# EAGLE board Mk4 Final Panel 6up 3x2 (EAGLE 9.0.1), part 5 of 18
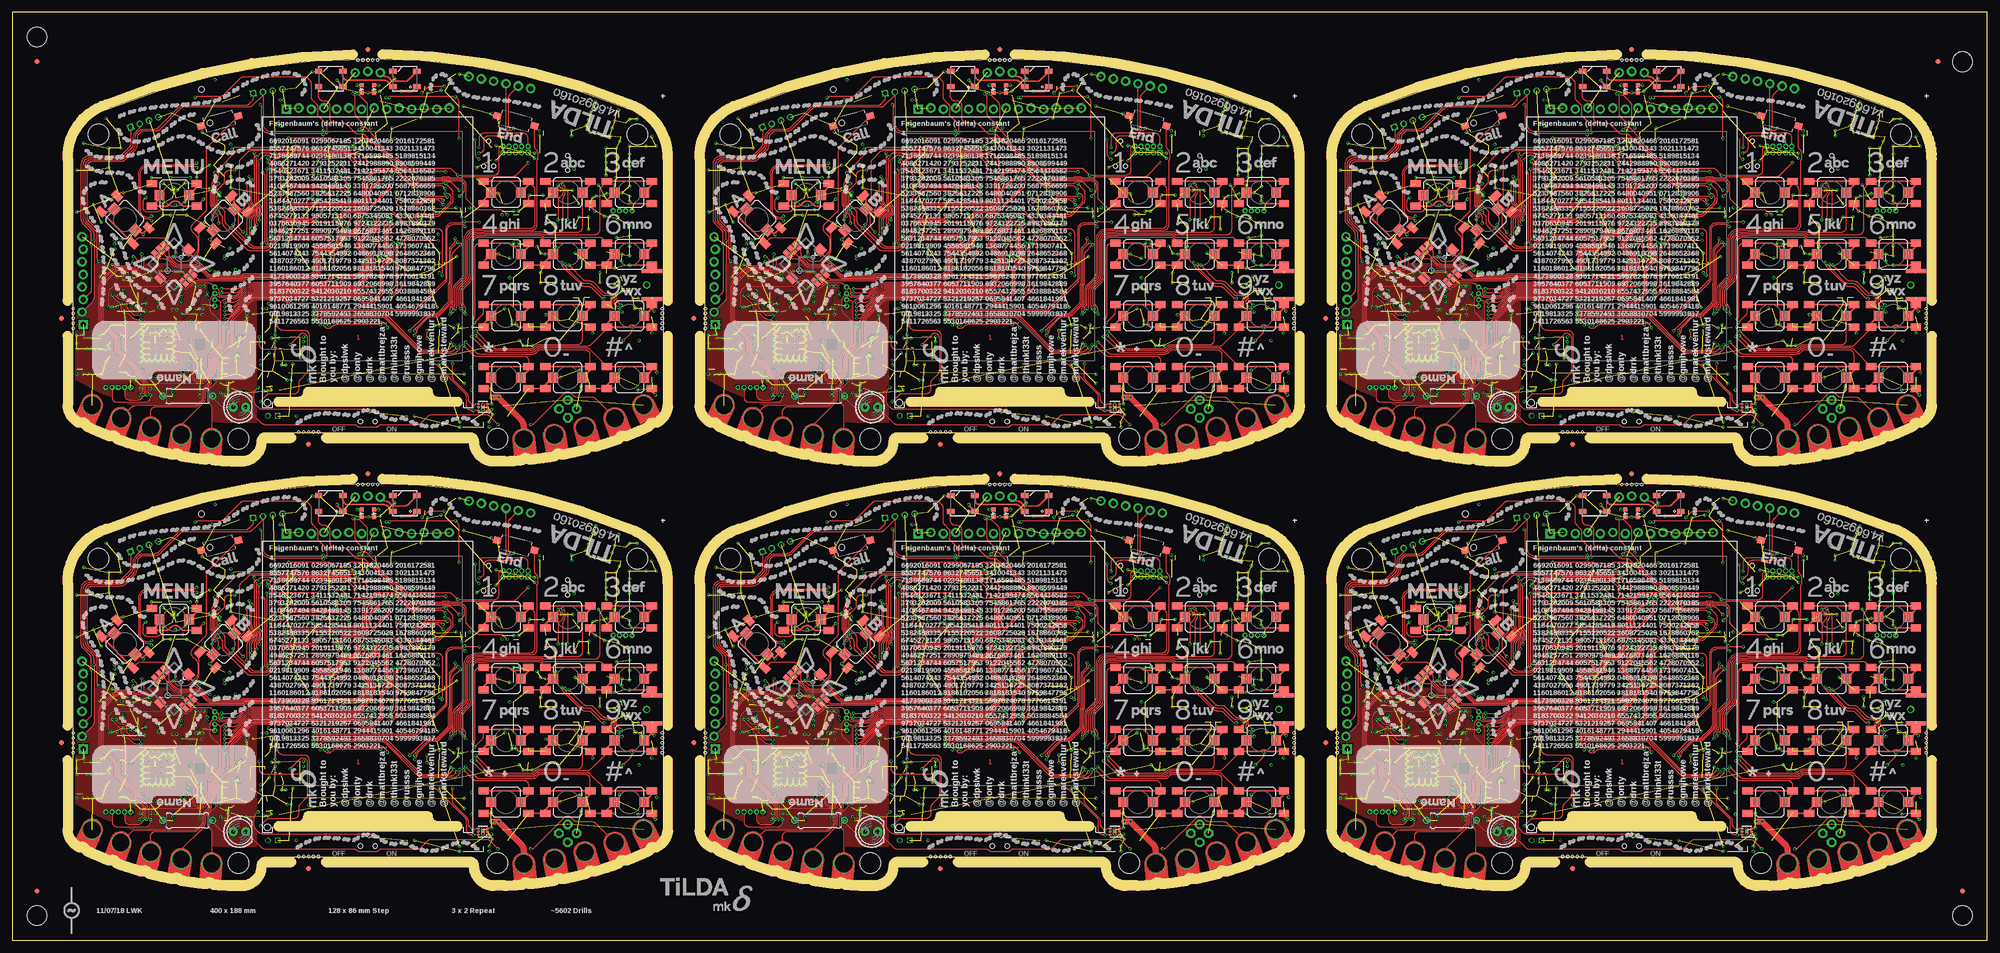
[diagram p0: board, top side]
## Tracks (layer width: path | path; a pad name or v marks a point on that pad's centre or on a via) (continued)
3V2  (via drill 0.3)  (79 unrouted) (continued)
  Bottom 0.15: v86.5,116.75 C318.1 86,117.5 arc-90 85.5,118 85.5,118.16 arc-90 IC50.5
  Bottom 0.2: IC38.9 75,141.75 C231.2 | IC38.8 75.4,144.19 arc-45 75.55,144.55 v75.75,144.75 75.8,144.7 IC38.7 | IC38.16 72.2,142.01 arc45 72.35,141.65 C230.2 v72.5,140.75 | IC38.47 63.46,150.4 arc45 C228.2 | IC38.113 80.14,150.8 arc45 80.84,151.09 C227.2 | IC38.79 71.4,159.44 arc45 71.11,160.14 C229.2 | IC38.69 67.4,157.86 arc-45 v67.25,157.5 67.15,157.6 arc-45 67,157.96 IC38.68 | 32.75,125.28 IC47.47 | IC38.90 75.8,157.55 v75.75,157.5 | IC38.51 v63,152 63.11,152.11 arc-45 63.81,152.4 IC38.52 | IC38.39 v65.5,147.2 | IC38.28 67.4,142.35 arc90 v67.75,142 arc90 68.2,142.45 IC38.26 | R171.1 v79.5,143.5 | IC38.122 78.62,147.2 arc-45 v78.5,147.25 | v97.05,107.5 C320.1 | IC38.101 80.95,155.6 v81.1,155.45 | R184.2 v84.75,145 | R183.2 85.07,147.32 arc-45 v85.5,147.5 | R222.1 20.5,137.5 arc-45 v20.25,136.9
  Bottom 0.25: J21.41 64.25,136 | J21.40 64.75,135.29 arc45 64.6,135.65 64.25,136 | J21.42 63.75,135.29 arc-45 63.9,135.65 64.25,136 | J21.35 v67.25,133.5 | J21.1 v84.25,133.5 | J21.8 v80.75,136 | J21.7 81.25,135.5 v80.75,136 | J21.9 80.25,135.5 v80.75,136 | C231.2 75.25,140.12 C232.2 75.5,139.62 v75.5,138.75 | v62,150.1 C228.2 | v82.25,151.75 C227.2 | v71,161 C229.2 | R166.2 v71,164 | R167.2 v62,158.25 | C305.1 32.16,126.5 arc45 31.46,126.21 arc45 31.25,125.71 IC47.44 | IC47.39 28.75,127.55 C306.1 | IC47.37 27.75,127.35 C304.1 | C307.1 v28,114.25 28.46,114.71 arc45 28.75,115.41 IC47.10 | C308.1 v36,121.5 35.9,121.6 arc45 35.54,121.75 IC47.54 | IC49.21 C239.2 | v86,128.3 R230.2 | JP21.8 74.35,169.71 arc45 74.5,170.06 C221.2 | IC46.6 33.12,149.03 v33.05,148.95 C293.1
  Bottom 0.3: 33.22,125.75 32.75,125.28 | R229.2 v21.25,128.25 | JP19.1 97.63,160.63 v98,161 | IC45.14 106.81,157.44 R212.2 C280.2 v105.75,158.5 | IC40.8 81.35,144.15 C220.2 v81.25,145 | R172.1 v90,138.5 | C246.2 54.43,140.25 IC37.27 54.33,140.25 v53.25,140.25 | v44.25,152.5 arc-45 43.77,152.3 IC37.43 41.8,152.3 C242.2 | v44.25,157 44.15,157.1 IC37.49 41.85,157.1 C245.2 | v53.25,159.5 IC37.3 C240.2 | v53.25,161.25 53.4,161.1 IC37.1 55.65,161.1 C244.2 | v53.25,154.75 53.3,154.7 IC37.9 55.7,154.7 C241.2 | v53.25,150.75 53.3,150.7 IC37.14 55.7,150.7 C243.2 | C261.2 v38,132.5 | C261.2 38.75,133 v38.75,132.5 | C261.2 37.25,133 v37.25,132.5 | v91,147.5 R206.2 | C319.1 R216.1 | R182.2 R181.2 v57.3,146.75 | C304.1 v26.85,127.5 | C222.2 80.89,166.61 JP21.11 | v92.6,148.45 C279.2 92.03,148.72 IC44.8 | J26.7 J26.3 | J28.7 J28.3 | IC53.5 C323.1 v90.6,105
  Bottom 0.4: 33.22,125.75 34.19,125.75 arc45 34.89,126.04 C309.1 35.6,127.39 arc-45 35.75,127.75 v36,128 | v33.25,127.75 33.25,127.66 arc-45 32.96,126.96 32.7,126.7 C305.1 32.5,126.7 v32.5,127.75 | C306.1 29.1,127.7 v29.65,128.25 | v38.25,117.75 R224.2 | v38.25,115.75 R225.2 | v28,134.15 28.5,134.15 arc90 29.5,135.15 C294.2 29.5,135.53 arc45 29.21,136.24 IC48.8 | R223.2 v24.25,135.25 | v86.5,124.5 C239.2 | v40.95,113.6 R216.1 | C262.2 v32.5,111 | C262.2 33,111.75 v32.5,111.75 | C262.2 33,110.25 v32.5,110.25 | IC54.1 99.05,108 C324.1 97.96,108 arc45 97.26,107.71 v97.05,107.5 | TP54.TP 45.55,119.95 v45.55,118.65
  Bottom 0.5: C223.2 89.14,168 JP21.14
  other vias: 64.5,139.25 45.15,118.15 45.95,118.15 46.3,122.35 46,121.35 45.7,121.95
  pour 3V3@2 (isolate 0.254, rank 6): 12.2,160.5 12.2,107 arc31 44,98 46.7,98 arc90 49.5,100.8 arc-90 51.5,102.8 92.5,102.8 arc-90 94.5,100.8 arc90 97.3,98 100,98 arc31 131.8,107 131.8,130.5 125.5,130.5 125.5,160.5 131.8,160.5 arc64 125.25,168.25 arc24 72,178.5 arc24 18.75,168.25 arc55
  pour Bottom (no thermals): 64.25,138 64.25,139.3 64.45,139.5 64.8,139.5 65,139.3 65,137.75 64.5,137.25 64.5,135.75 64,135.75 64,137.75
  pour Bottom (no thermals): 48.3,113.65 46.75,113.65 46.35,114.05 arc45 45.99,114.2 44.85,114.2 44.85,121.39 arc-45 45,121.75 45.85,122.6 arc-45 46.21,122.75 46.25,122.75 arc-90 46.75,122.25 46.75,122.11 arc-45 46.6,121.75 46.45,121.6 arc45 46.3,121.24 46.3,115.4 arc90 46.8,114.9 47.8,114.9 arc-90 48.3,114.4
  pour Top: 36.35,132.85 34.65,131.15 arc-45 34.29,131 28.41,131 arc45 27.71,130.71 26.79,129.79 arc45 26.5,129.09 26.5,126 arc90 27.5,125 33.09,125 arc45 33.79,125.29 37.71,129.21 arc45 38,129.91 38,130.29 arc-45 38.15,130.65 39.35,131.85 arc45 39.5,132.21 39.5,132.5 arc90 39,133 36.71,133 arc45
3V3  (via drill 0.3)  (79 unrouted)
  Top 0.2: IC17.1 96.69,21.35 arc45 v97.05,21.5
  Top 0.3: SW1.COM 35.58,48.17 v34.5,49.25
  Bottom 0.15: v86.5,30.75 C102.1 86,31.5 arc-90 85.5,32 85.5,32.16 arc-90 IC16.5
  Bottom 0.2: IC1.9 75,55.75 C13.2 | IC1.8 75.4,58.19 arc-45 75.55,58.55 v75.75,58.75 75.8,58.7 IC1.7 | IC1.16 72.2,56.01 arc45 72.35,55.65 C12.2 v72.5,54.75 | IC1.47 63.46,64.4 arc45 C10.2 | IC1.113 80.14,64.8 arc45 80.84,65.09 C9.2 | IC1.79 71.4,73.44 arc45 71.11,74.14 C11.2 | IC1.69 67.4,71.86 arc-45 v67.25,71.5 67.15,71.6 arc-45 67,71.96 IC1.68 | 32.75,39.28 IC15.47 | IC1.90 75.8,71.55 v75.75,71.5 | IC1.51 v63,66 63.11,66.11 arc-45 63.81,66.4 IC1.52 | IC1.39 v65.5,61.2 | IC1.28 67.4,56.35 arc90 v67.75,56 arc90 68.2,56.45 IC1.26 | R9.1 v79.5,57.5 | IC1.122 78.62,61.2 arc-45 v78.5,61.25 | v97.05,21.5 C104.1 | IC1.101 80.95,69.6 v81.1,69.45 | R24.2 v84.75,59 | R23.2 85.07,61.32 arc-45 v85.5,61.5 | R66.1 20.5,51.5 arc-45 v20.25,50.9
  Bottom 0.25: J2.41 64.25,50 | J2.40 64.75,49.29 arc45 64.6,49.65 64.25,50 | J2.42 63.75,49.29 arc-45 63.9,49.65 64.25,50 | J2.35 v67.25,47.5 | J2.1 v84.25,47.5 | J2.8 v80.75,50 | J2.7 81.25,49.5 v80.75,50 | J2.9 80.25,49.5 v80.75,50 | C13.2 75.25,54.12 C14.2 75.5,53.62 v75.5,52.75 | v62,64.1 C10.2 | v82.25,65.75 C9.2 | v71,75 C11.2 | R4.2 v71,78 | R5.2 v62,72.25 | C89.1 32.16,40.5 arc45 31.46,40.21 arc45 31.25,39.71 IC15.44 | IC15.39 28.75,41.55 C90.1 | IC15.37 27.75,41.35 C88.1 | C91.1 v28,28.25 28.46,28.71 arc45 28.75,29.41 IC15.10 | C92.1 v36,35.5 35.9,35.6 arc45 35.54,35.75 IC15.54 | IC4.21 C21.2 | v86,42.3 R76.2 | JP7.8 74.35,83.71 arc45 74.5,84.06 C3.2 | IC13.6 33.12,63.02 v33.05,62.95 C58.1
  Bottom 0.3: 33.22,39.75 32.75,39.28 | R73.2 v21.25,42.25 | JP4.1 97.63,74.63 v98,75 | IC12.14 106.81,71.44 R56.2 C71.2 v105.75,72.5 | IC6.8 81.35,58.15 C2.2 v81.25,59 | R10.1 v90,52.5 | C28.2 54.43,54.25 IC2.27 54.33,54.25 v53.25,54.25 | v44.25,66.5 arc-45 43.77,66.3 IC2.43 41.8,66.3 C24.2 | v44.25,71 44.15,71.1 IC2.49 41.85,71.1 C27.2 | v53.25,73.5 IC2.3 C22.2 | v53.25,75.25 53.4,75.1 IC2.1 55.65,75.1 C26.2 | v53.25,68.75 53.3,68.7 IC2.9 55.7,68.7 C23.2 | v53.25,64.75 53.3,64.7 IC2.14 55.7,64.7 C25.2 | C42.2 v38,46.5 | C42.2 38.75,47 v38.75,46.5 | C42.2 37.25,47 v37.25,46.5 | v91,61.5 R50.2 | C103.1 R60.1 | R22.2 R21.2 v57.3,60.75 | C88.1 v26.85,41.5 | C4.2 80.89,80.61 JP7.11 | v92.6,62.45 C70.2 92.03,62.73 IC11.8 | J10.7 J10.3 | J8.7 J8.3 | IC3.5 C107.1 v90.6,19
  Bottom 0.4: 33.22,39.75 34.19,39.75 arc45 34.89,40.04 C93.1 35.6,41.39 arc-45 35.75,41.75 v36,42 | v33.25,41.75 33.25,41.66 arc-45 32.96,40.96 32.7,40.7 C89.1 32.5,40.7 v32.5,41.75 | C90.1 29.1,41.7 v29.65,42.25 | v38.25,31.75 R68.2 | v38.25,29.75 R69.2 | v28,48.15 28.5,48.15 arc90 29.5,49.15 C59.2 29.5,49.53 arc45 29.21,50.24 IC14.8 | R67.2 v24.25,49.25 | v86.5,38.5 C21.2 | v40.95,27.6 R60.1 | C43.2 v32.5,25 | C43.2 33,25.75 v32.5,25.75 | C43.2 33,24.25 v32.5,24.25 | IC18.1 99.05,22 C108.1 97.96,22 arc45 97.26,21.71 v97.05,21.5 | TP16.TP 45.55,33.95 v45.55,32.65
  Bottom 0.5: C5.2 89.14,82 JP7.14
  other vias: 64.5,53.25 45.15,32.15 45.95,32.15 46.3,36.35 46,35.35 45.7,35.95
  pour 3V3@2 (isolate 0.254, rank 6): 12.2,74.5 12.2,21 arc31 44,12 46.7,12 arc90 49.5,14.8 arc-90 51.5,16.8 92.5,16.8 arc-90 94.5,14.8 arc90 97.3,12 100,12 arc31 131.8,21 131.8,44.5 125.5,44.5 125.5,74.5 131.8,74.5 arc64 125.25,82.25 arc24 72,92.5 arc24 18.75,82.25 arc55
  pour Bottom (no thermals): 64.25,52 64.25,53.3 64.45,53.5 64.8,53.5 65,53.3 65,51.75 64.5,51.25 64.5,49.75 64,49.75 64,51.75
  pour Bottom (no thermals): 48.3,27.65 46.75,27.65 46.35,28.05 arc45 45.99,28.2 44.85,28.2 44.85,35.39 arc-45 45,35.75 45.85,36.6 arc-45 46.21,36.75 46.25,36.75 arc-90 46.75,36.25 46.75,36.11 arc-45 46.6,35.75 46.45,35.6 arc45 46.3,35.24 46.3,29.4 arc90 46.8,28.9 47.8,28.9 arc-90 48.3,28.4
  pour Top: 36.35,46.85 34.65,45.15 arc-45 34.29,45 28.41,45 arc45 27.71,44.71 26.79,43.79 arc45 26.5,43.09 26.5,40 arc90 27.5,39 33.09,39 arc45 33.79,39.29 37.71,43.21 arc45 38,43.91 38,44.29 arc-45 38.15,44.65 39.35,45.85 arc45 39.5,46.21 39.5,46.5 arc90 39,47 36.71,47 arc45
3V4  (via drill 0.3)  (79 unrouted)
  Top 0.2: IC70.1 224.69,107.35 arc45 v225.05,107.5
  Top 0.3: SW4.COM 163.58,134.17 v162.5,135.25
  Bottom 0.15: v214.5,116.75 C426.1 214,117.5 arc-90 213.5,118 213.5,118.16 arc-90 IC68.5
  Bottom 0.2: IC56.9 203,141.75 C339.2 | IC56.8 203.4,144.19 arc-45 203.55,144.55 v203.75,144.75 203.8,144.7 IC56.7 | IC56.16 200.2,142.01 arc45 200.35,141.65 C338.2 v200.5,140.75 | IC56.47 191.46,150.4 arc45 C336.2 | IC56.113 208.14,150.8 arc45 208.84,151.09 C335.2 | IC56.79 199.4,159.44 arc45 199.11,160.14 C337.2 | IC56.69 195.4,157.86 arc-45 v195.25,157.5 195.15,157.6 arc-45 195,157.96 IC56.68 | 160.75,125.28 IC65.47 | IC56.90 203.8,157.55 v203.75,157.5 | IC56.51 v191,152 191.11,152.11 arc-45 191.81,152.4 IC56.52 | IC56.39 v193.5,147.2 | IC56.28 195.4,142.35 arc90 v195.75,142 arc90 196.2,142.45 IC56.26 | R249.1 v207.5,143.5 | IC56.122 206.62,147.2 arc-45 v206.5,147.25 | v225.05,107.5 C428.1 | IC56.101 208.95,155.6 v209.1,155.45 | R262.2 v212.75,145 | R261.2 213.07,147.32 arc-45 v213.5,147.5 | R300.1 148.5,137.5 arc-45 v148.25,136.9
  Bottom 0.25: J31.41 192.25,136 | J31.40 192.75,135.29 arc45 192.6,135.65 192.25,136 | J31.42 191.75,135.29 arc-45 191.9,135.65 192.25,136 | J31.35 v195.25,133.5 | J31.1 v212.25,133.5 | J31.8 v208.75,136 | J31.7 209.25,135.5 v208.75,136 | J31.9 208.25,135.5 v208.75,136 | C339.2 203.25,140.12 C340.2 203.5,139.62 v203.5,138.75 | v190,150.1 C336.2 | v210.25,151.75 C335.2 | v199,161 C337.2 | R244.2 v199,164 | R245.2 v190,158.25 | C413.1 160.16,126.5 arc45 159.46,126.21 arc45 159.25,125.71 IC65.44 | IC65.39 156.75,127.55 C414.1 | IC65.37 155.75,127.35 C412.1 | C415.1 v156,114.25 156.46,114.71 arc45 156.75,115.41 IC65.10 | C416.1 v164,121.5 163.9,121.6 arc45 163.54,121.75 IC65.54 | IC67.21 C347.2 | v214,128.3 R308.2 | JP30.8 202.35,169.71 arc45 202.5,170.06 C329.2 | IC64.6 161.12,149.03 v161.05,148.95 C401.1
  Bottom 0.3: 161.22,125.75 160.75,125.28 | R307.2 v149.25,128.25 | JP28.1 225.63,160.63 v226,161 | IC63.14 234.81,157.44 R290.2 C388.2 v233.75,158.5 | IC58.8 209.35,144.15 C328.2 v209.25,145 | R250.1 v218,138.5 | C354.2 182.43,140.25 IC55.27 182.33,140.25 v181.25,140.25 | v172.25,152.5 arc-45 171.77,152.3 IC55.43 169.8,152.3 C350.2 | v172.25,157 172.15,157.1 IC55.49 169.85,157.1 C353.2 | v181.25,159.5 IC55.3 C348.2 | v181.25,161.25 181.4,161.1 IC55.1 183.65,161.1 C352.2 | v181.25,154.75 181.3,154.7 IC55.9 183.7,154.7 C349.2 | v181.25,150.75 181.3,150.7 IC55.14 183.7,150.7 C351.2 | C369.2 v166,132.5 | C369.2 166.75,133 v166.75,132.5 | C369.2 165.25,133 v165.25,132.5 | v219,147.5 R284.2 | C427.1 R294.1 | R260.2 R259.2 v185.3,146.75 | C412.1 v154.85,127.5 | C330.2 208.89,166.61 JP30.11 | v220.6,148.45 C387.2 220.03,148.72 IC62.8 | J36.7 J36.3 | J38.7 J38.3 | IC71.5 C431.1 v218.6,105
  Bottom 0.4: 161.22,125.75 162.19,125.75 arc45 162.89,126.04 C417.1 163.6,127.39 arc-45 163.75,127.75 v164,128 | v161.25,127.75 161.25,127.66 arc-45 160.96,126.96 160.7,126.7 C413.1 160.5,126.7 v160.5,127.75 | C414.1 157.1,127.7 v157.65,128.25 | v166.25,117.75 R302.2 | v166.25,115.75 R303.2 | v156,134.15 156.5,134.15 arc90 157.5,135.15 C402.2 157.5,135.53 arc45 157.21,136.24 IC66.8 | R301.2 v152.25,135.25 | v214.5,124.5 C347.2 | v168.95,113.6 R294.1 | C370.2 v160.5,111 | C370.2 161,111.75 v160.5,111.75 | C370.2 161,110.25 v160.5,110.25 | IC72.1 227.05,108 C432.1 225.96,108 arc45 225.26,107.71 v225.05,107.5 | TP73.TP 173.55,119.95 v173.55,118.65
  Bottom 0.5: C331.2 217.14,168 JP30.14
  other vias: 192.5,139.25 173.15,118.15 173.95,118.15 174.3,122.35 174,121.35 173.7,121.95
  pour 3V3@2 (isolate 0.254, rank 6): 140.2,160.5 140.2,107 arc31 172,98 174.7,98 arc90 177.5,100.8 arc-90 179.5,102.8 220.5,102.8 arc-90 222.5,100.8 arc90 225.3,98 228,98 arc31 259.8,107 259.8,130.5 253.5,130.5 253.5,160.5 259.8,160.5 arc64 253.25,168.25 arc24 200,178.5 arc24 146.75,168.25 arc55
  pour Bottom (no thermals): 192.25,138 192.25,139.3 192.45,139.5 192.8,139.5 193,139.3 193,137.75 192.5,137.25 192.5,135.75 192,135.75 192,137.75
  pour Bottom (no thermals): 176.3,113.65 174.75,113.65 174.35,114.05 arc45 173.99,114.2 172.85,114.2 172.85,121.39 arc-45 173,121.75 173.85,122.6 arc-45 174.21,122.75 174.25,122.75 arc-90 174.75,122.25 174.75,122.11 arc-45 174.6,121.75 174.45,121.6 arc45 174.3,121.24 174.3,115.4 arc90 174.8,114.9 175.8,114.9 arc-90 176.3,114.4
  pour Top: 164.35,132.85 162.65,131.15 arc-45 162.29,131 156.41,131 arc45 155.71,130.71 154.79,129.79 arc45 154.5,129.09 154.5,126 arc90 155.5,125 161.09,125 arc45 161.79,125.29 165.71,129.21 arc45 166,129.91 166,130.29 arc-45 166.15,130.65 167.35,131.85 arc45 167.5,132.21 167.5,132.5 arc90 167,133 164.71,133 arc45
3V5  (via drill 0.3)  (79 unrouted)
  Top 0.2: IC88.1 352.69,21.35 arc45 v353.05,21.5
  Top 0.3: SW5.COM 291.58,48.17 v290.5,49.25
  Bottom 0.15: v342.5,30.75 C534.1 342,31.5 arc-90 341.5,32 341.5,32.16 arc-90 IC86.5
  Bottom 0.2: IC74.9 331,55.75 C447.2 | IC74.8 331.4,58.19 arc-45 331.55,58.55 v331.75,58.75 331.8,58.7 IC74.7 | IC74.16 328.2,56.01 arc45 328.35,55.65 C446.2 v328.5,54.75 | IC74.47 319.46,64.4 arc45 C444.2 | IC74.113 336.14,64.8 arc45 336.84,65.09 C443.2 | IC74.79 327.4,73.44 arc45 327.11,74.14 C445.2 | IC74.69 323.4,71.86 arc-45 v323.25,71.5 323.15,71.6 arc-45 323,71.96 IC74.68 | 288.75,39.28 IC83.47 | IC74.90 331.8,71.55 v331.75,71.5 | IC74.51 v319,66 319.11,66.11 arc-45 319.81,66.4 IC74.52 | IC74.39 v321.5,61.2 | IC74.28 323.4,56.35 arc90 v323.75,56 arc90 324.2,56.45 IC74.26 | R327.1 v335.5,57.5 | IC74.122 334.62,61.2 arc-45 v334.5,61.25 | v353.05,21.5 C536.1 | IC74.101 336.95,69.6 v337.1,69.45 | R340.2 v340.75,59 | R339.2 341.07,61.32 arc-45 v341.5,61.5 | R378.1 276.5,51.5 arc-45 v276.25,50.9
  Bottom 0.25: J41.41 320.25,50 | J41.40 320.75,49.29 arc45 320.6,49.65 320.25,50 | J41.42 319.75,49.29 arc-45 319.9,49.65 320.25,50 | J41.35 v323.25,47.5 | J41.1 v340.25,47.5 | J41.8 v336.75,50 | J41.7 337.25,49.5 v336.75,50 | J41.9 336.25,49.5 v336.75,50 | C447.2 331.25,54.12 C448.2 331.5,53.62 v331.5,52.75 | v318,64.1 C444.2 | v338.25,65.75 C443.2 | v327,75 C445.2 | R322.2 v327,78 | R323.2 v318,72.25 | C521.1 288.16,40.5 arc45 287.46,40.21 arc45 287.25,39.71 IC83.44 | IC83.39 284.75,41.55 C522.1 | IC83.37 283.75,41.35 C520.1 | C523.1 v284,28.25 284.46,28.71 arc45 284.75,29.41 IC83.10 | C524.1 v292,35.5 291.9,35.6 arc45 291.54,35.75 IC83.54 | IC85.21 C455.2 | v342,42.3 R386.2 | JP39.8 330.35,83.71 arc45 330.5,84.06 C437.2 | IC82.6 289.12,63.02 v289.05,62.95 C509.1
  Bottom 0.3: 289.22,39.75 288.75,39.28 | R385.2 v277.25,42.25 | JP37.1 353.63,74.63 v354,75 | IC81.14 362.81,71.44 R368.2 C496.2 v361.75,72.5 | IC76.8 337.35,58.15 C436.2 v337.25,59 | R328.1 v346,52.5 | C462.2 310.43,54.25 IC73.27 310.33,54.25 v309.25,54.25 | v300.25,66.5 arc-45 299.77,66.3 IC73.43 297.8,66.3 C458.2 | v300.25,71 300.15,71.1 IC73.49 297.85,71.1 C461.2 | v309.25,73.5 IC73.3 C456.2 | v309.25,75.25 309.4,75.1 IC73.1 311.65,75.1 C460.2 | v309.25,68.75 309.3,68.7 IC73.9 311.7,68.7 C457.2 | v309.25,64.75 309.3,64.7 IC73.14 311.7,64.7 C459.2 | C477.2 v294,46.5 | C477.2 294.75,47 v294.75,46.5 | C477.2 293.25,47 v293.25,46.5 | v347,61.5 R362.2 | C535.1 R372.1 | R338.2 R337.2 v313.3,60.75 | C520.1 v282.85,41.5 | C438.2 336.89,80.61 JP39.11 | v348.6,62.45 C495.2 348.02,62.73 IC80.8 | J46.7 J46.3 | J48.7 J48.3 | IC89.5 C539.1 v346.6,19
  Bottom 0.4: 289.22,39.75 290.19,39.75 arc45 290.89,40.04 C525.1 291.6,41.39 arc-45 291.75,41.75 v292,42 | v289.25,41.75 289.25,41.66 arc-45 288.96,40.96 288.7,40.7 C521.1 288.5,40.7 v288.5,41.75 | C522.1 285.1,41.7 v285.65,42.25 | v294.25,31.75 R380.2 | v294.25,29.75 R381.2 | v284,48.15 284.5,48.15 arc90 285.5,49.15 C510.2 285.5,49.53 arc45 285.21,50.24 IC84.8 | R379.2 v280.25,49.25 | v342.5,38.5 C455.2 | v296.95,27.6 R372.1 | C478.2 v288.5,25 | C478.2 289,25.75 v288.5,25.75 | C478.2 289,24.25 v288.5,24.25 | IC90.1 355.05,22 C540.1 353.96,22 arc45 353.26,21.71 v353.05,21.5 | TP92.TP 301.55,33.95 v301.55,32.65
  Bottom 0.5: C439.2 345.14,82 JP39.14
  other vias: 320.5,53.25 301.15,32.15 301.95,32.15 302.3,36.35 302,35.35 301.7,35.95
  pour 3V3@2 (isolate 0.254, rank 6): 268.2,74.5 268.2,21 arc31 300,12 302.7,12 arc90 305.5,14.8 arc-90 307.5,16.8 348.5,16.8 arc-90 350.5,14.8 arc90 353.3,12 356,12 arc31 387.8,21 387.8,44.5 381.5,44.5 381.5,74.5 387.8,74.5 arc64 381.25,82.25 arc24 328,92.5 arc24 274.75,82.25 arc55
  pour Bottom (no thermals): 320.25,52 320.25,53.3 320.45,53.5 320.8,53.5 321,53.3 321,51.75 320.5,51.25 320.5,49.75 320,49.75 320,51.75
  pour Bottom (no thermals): 304.3,27.65 302.75,27.65 302.35,28.05 arc45 301.99,28.2 300.85,28.2 300.85,35.39 arc-45 301,35.75 301.85,36.6 arc-45 302.21,36.75 302.25,36.75 arc-90 302.75,36.25 302.75,36.11 arc-45 302.6,35.75 302.45,35.6 arc45 302.3,35.24 302.3,29.4 arc90 302.8,28.9 303.8,28.9 arc-90 304.3,28.4
  pour Top: 292.35,46.85 290.65,45.15 arc-45 290.29,45 284.41,45 arc45 283.71,44.71 282.79,43.79 arc45 282.5,43.09 282.5,40 arc90 283.5,39 289.09,39 arc45 289.79,39.29 293.71,43.21 arc45 294,43.91 294,44.29 arc-45 294.15,44.65 295.35,45.85 arc45 295.5,46.21 295.5,46.5 arc90 295,47 292.71,47 arc45
3V7  (via drill 0.3)  (79 unrouted)
  Top 0.2: IC124.1 352.69,107.35 arc45 v353.05,107.5
  Top 0.3: SW7.COM 291.58,134.17 v290.5,135.25
  Bottom 0.15: v342.5,116.75 C750.1 342,117.5 arc-90 341.5,118 341.5,118.16 arc-90 IC122.5
  Bottom 0.2: IC110.9 331,141.75 C663.2 | IC110.8 331.4,144.19 arc-45 331.55,144.55 v331.75,144.75 331.8,144.7 IC110.7 | IC110.16 328.2,142.01 arc45 328.35,141.65 C662.2 v328.5,140.75 | IC110.47 319.46,150.4 arc45 C660.2 | IC110.113 336.14,150.8 arc45 336.84,151.09 C659.2 | IC110.79 327.4,159.44 arc45 327.11,160.14 C661.2 | IC110.69 323.4,157.86 arc-45 v323.25,157.5 323.15,157.6 arc-45 323,157.96 IC110.68 | 288.75,125.28 IC119.47 | IC110.90 331.8,157.55 v331.75,157.5 | IC110.51 v319,152 319.11,152.11 arc-45 319.81,152.4 IC110.52 | IC110.39 v321.5,147.2 | IC110.28 323.4,142.35 arc90 v323.75,142 arc90 324.2,142.45 IC110.26 | R483.1 v335.5,143.5 | IC110.122 334.62,147.2 arc-45 v334.5,147.25 | v353.05,107.5 C752.1 | IC110.101 336.95,155.6 v337.1,155.45 | R496.2 v340.75,145 | R495.2 341.07,147.32 arc-45 v341.5,147.5 | R534.1 276.5,137.5 arc-45 v276.25,136.9
  Bottom 0.25: J61.41 320.25,136 | J61.40 320.75,135.29 arc45 320.6,135.65 320.25,136 | J61.42 319.75,135.29 arc-45 319.9,135.65 320.25,136 | J61.35 v323.25,133.5 | J61.1 v340.25,133.5 | J61.8 v336.75,136 | J61.7 337.25,135.5 v336.75,136 | J61.9 336.25,135.5 v336.75,136 | C663.2 331.25,140.12 C664.2 331.5,139.62 v331.5,138.75 | v318,150.1 C660.2 | v338.25,151.75 C659.2 | v327,161 C661.2 | R478.2 v327,164 | R479.2 v318,158.25 | C737.1 288.16,126.5 arc45 287.46,126.21 arc45 287.25,125.71 IC119.44 | IC119.39 284.75,127.55 C738.1 | IC119.37 283.75,127.35 C736.1 | C739.1 v284,114.25 284.46,114.71 arc45 284.75,115.41 IC119.10 | C740.1 v292,121.5 291.9,121.6 arc45 291.54,121.75 IC119.54 | IC121.21 C671.2 | v342,128.3 R542.2 | JP57.8 330.35,169.71 arc45 330.5,170.06 C653.2 | IC118.6 289.12,149.03 v289.05,148.95 C725.1
  Bottom 0.3: 289.22,125.75 288.75,125.28 | R541.2 v277.25,128.25 | JP55.1 353.63,160.63 v354,161 | IC117.14 362.81,157.44 R524.2 C712.2 v361.75,158.5 | IC112.8 337.35,144.15 C652.2 v337.25,145 | R484.1 v346,138.5 | C678.2 310.43,140.25 IC109.27 310.33,140.25 v309.25,140.25 | v300.25,152.5 arc-45 299.77,152.3 IC109.43 297.8,152.3 C674.2 | v300.25,157 300.15,157.1 IC109.49 297.85,157.1 C677.2 | v309.25,159.5 IC109.3 C672.2 | v309.25,161.25 309.4,161.1 IC109.1 311.65,161.1 C676.2 | v309.25,154.75 309.3,154.7 IC109.9 311.7,154.7 C673.2 | v309.25,150.75 309.3,150.7 IC109.14 311.7,150.7 C675.2 | C693.2 v294,132.5 | C693.2 294.75,133 v294.75,132.5 | C693.2 293.25,133 v293.25,132.5 | v347,147.5 R518.2 | C751.1 R528.1 | R494.2 R493.2 v313.3,146.75 | C736.1 v282.85,127.5 | C654.2 336.89,166.61 JP57.11 | v348.6,148.45 C711.2 348.02,148.72 IC116.8 | J66.7 J66.3 | J68.7 J68.3 | IC125.5 C755.1 v346.6,105
  Bottom 0.4: 289.22,125.75 290.19,125.75 arc45 290.89,126.04 C741.1 291.6,127.39 arc-45 291.75,127.75 v292,128 | v289.25,127.75 289.25,127.66 arc-45 288.96,126.96 288.7,126.7 C737.1 288.5,126.7 v288.5,127.75 | C738.1 285.1,127.7 v285.65,128.25 | v294.25,117.75 R536.2 | v294.25,115.75 R537.2 | v284,134.15 284.5,134.15 arc90 285.5,135.15 C726.2 285.5,135.53 arc45 285.21,136.24 IC120.8 | R535.2 v280.25,135.25 | v342.5,124.5 C671.2 | v296.95,113.6 R528.1 | C694.2 v288.5,111 | C694.2 289,111.75 v288.5,111.75 | C694.2 289,110.25 v288.5,110.25 | IC126.1 355.05,108 C756.1 353.96,108 arc45 353.26,107.71 v353.05,107.5 | TP130.TP 301.55,119.95 v301.55,118.65
  Bottom 0.5: C655.2 345.14,168 JP57.14
  other vias: 320.5,139.25 301.15,118.15 301.95,118.15 302.3,122.35 302,121.35 301.7,121.95
  pour 3V3@2 (isolate 0.254, rank 6): 268.2,160.5 268.2,107 arc31 300,98 302.7,98 arc90 305.5,100.8 arc-90 307.5,102.8 348.5,102.8 arc-90 350.5,100.8 arc90 353.3,98 356,98 arc31 387.8,107 387.8,130.5 381.5,130.5 381.5,160.5 387.8,160.5 arc64 381.25,168.25 arc24 328,178.5 arc24 274.75,168.25 arc55
  pour Bottom (no thermals): 320.25,138 320.25,139.3 320.45,139.5 320.8,139.5 321,139.3 321,137.75 320.5,137.25 320.5,135.75 320,135.75 320,137.75
  pour Bottom (no thermals): 304.3,113.65 302.75,113.65 302.35,114.05 arc45 301.99,114.2 300.85,114.2 300.85,121.39 arc-45 301,121.75 301.85,122.6 arc-45 302.21,122.75 302.25,122.75 arc-90 302.75,122.25 302.75,122.11 arc-45 302.6,121.75 302.45,121.6 arc45 302.3,121.24 302.3,115.4 arc90 302.8,114.9 303.8,114.9 arc-90 304.3,114.4
  pour Top: 292.35,132.85 290.65,131.15 arc-45 290.29,131 284.41,131 arc45 283.71,130.71 282.79,129.79 arc45 282.5,129.09 282.5,126 arc90 283.5,125 289.09,125 arc45 289.79,125.29 293.71,129.21 arc45 294,129.91 294,130.29 arc-45 294.15,130.65 295.35,131.85 arc45 295.5,132.21 295.5,132.5 arc90 295,133 292.71,133 arc45
!HIB
  Bottom 0.2: IC1.65 65.8,73.24 arc45 65.65,73.6 65.6,73.65 arc90 64.9,73.65 64.4,73.15 TP1.TP
!HIB1
  Bottom 0.2: IC20.65 193.8,73.24 arc45 193.65,73.6 193.6,73.65 arc90 192.9,73.65 192.4,73.15 TP20.TP
!HIB2
  Bottom 0.2: IC38.65 65.8,159.24 arc45 65.65,159.6 65.6,159.65 arc90 64.9,159.65 64.4,159.15 TP39.TP
!HIB3
  Bottom 0.2: IC56.65 193.8,159.24 arc45 193.65,159.6 193.6,159.65 arc90 192.9,159.65 192.4,159.15 TP58.TP
!HIB4
  Bottom 0.2: IC74.65 321.8,73.24 arc45 321.65,73.6 321.6,73.65 arc90 320.9,73.65 320.4,73.15 TP77.TP
!HIB6
  Bottom 0.2: IC110.65 321.8,159.24 arc45 321.65,159.6 321.6,159.65 arc90 320.9,159.65 320.4,159.15 TP115.TP
!RESET  (via drill 0.3)
  Top 0.15: v89.7,56.2 89.7,55.81 arc-45 89.41,55.11 88.82,54.52 arc45 88.53,53.81 88.53,47.15 arc-45 88.5,47.08 88.43,47.01 arc45 88.4,46.94 88.4,43.76 arc-45 88.11,43.06 86.24,41.19 arc-45 85.54,40.9 84.31,40.9 arc45 83.61,40.61 v80.5,37.5
  Top 0.2: J3.10 98.84,74.84 arc45 98.6,74.27 98.6,70.05 arc-90 97.6,69.05 v90.2,69.05 89.19,70.06 arc45 88.49,70.35 80.46,70.35 arc-45 79.75,70.64 78.14,72.25 arc45 77.79,72.4 77.67,72.4 arc-45 76.96,72.69 74.02,75.63 arc-45 73.73,76.34 arc45 73.6,76.65 71.83,78.42 arc90 70.42,78.42 v70.25,78.25
  3V3@2 0.15: v90.2,69.05 90.2,66.8 88.62,65.22 88.62,64.38 88.5,64.26 88.5,58.65 89.7,57.45 v89.7,56.2
  Bottom 0.15: IC1.70 67.8,73.59 arc-45 67.95,73.95 68.25,74.25 arc-45 68.61,74.4 68.79,74.4 arc45 69.15,74.55 69.85,75.25 arc45 70,75.61 C15.2 | R4.1 70,77.79 arc-45 70.15,78.15 v70.25,78.25 | v80.5,37.5 80.5,31.82 arc45 81.01,30.59 86.09,25.51 arc45 87.33,25 90.45,25 arc-90 91.7,23.75 91.7,22.16 arc-45 91.41,21.46 90.41,20.46 arc-45 90.27,20.4 89.56,20.4 arc45 89.42,20.34 89.38,20.31 arc-45 89.24,20.25 S19.2
  Bottom 0.2: C15.2 R4.1
!RESET1  (via drill 0.3)
  Top 0.15: v217.7,56.2 217.7,55.81 arc-45 217.41,55.11 216.82,54.52 arc45 216.53,53.81 216.53,47.15 arc-45 216.5,47.08 216.43,47.01 arc45 216.4,46.94 216.4,43.76 arc-45 216.11,43.06 214.24,41.19 arc-45 213.54,40.9 212.31,40.9 arc45 211.61,40.61 v208.5,37.5
  Top 0.2: J13.10 226.84,74.84 arc45 226.6,74.27 226.6,70.05 arc-90 225.6,69.05 v218.2,69.05 217.19,70.06 arc45 216.49,70.35 208.46,70.35 arc-45 207.75,70.64 206.14,72.25 arc45 205.79,72.4 205.67,72.4 arc-45 204.96,72.69 202.02,75.63 arc-45 201.73,76.34 arc45 201.6,76.65 199.83,78.42 arc90 198.42,78.42 v198.25,78.25
  3V3@2 0.15: v218.2,69.05 218.2,66.8 216.62,65.22 216.62,64.38 216.5,64.26 216.5,58.65 217.7,57.45 v217.7,56.2